# Altium PCB LPCXpresso55SXX.PcbDoc (part 2 of 4) (continued)
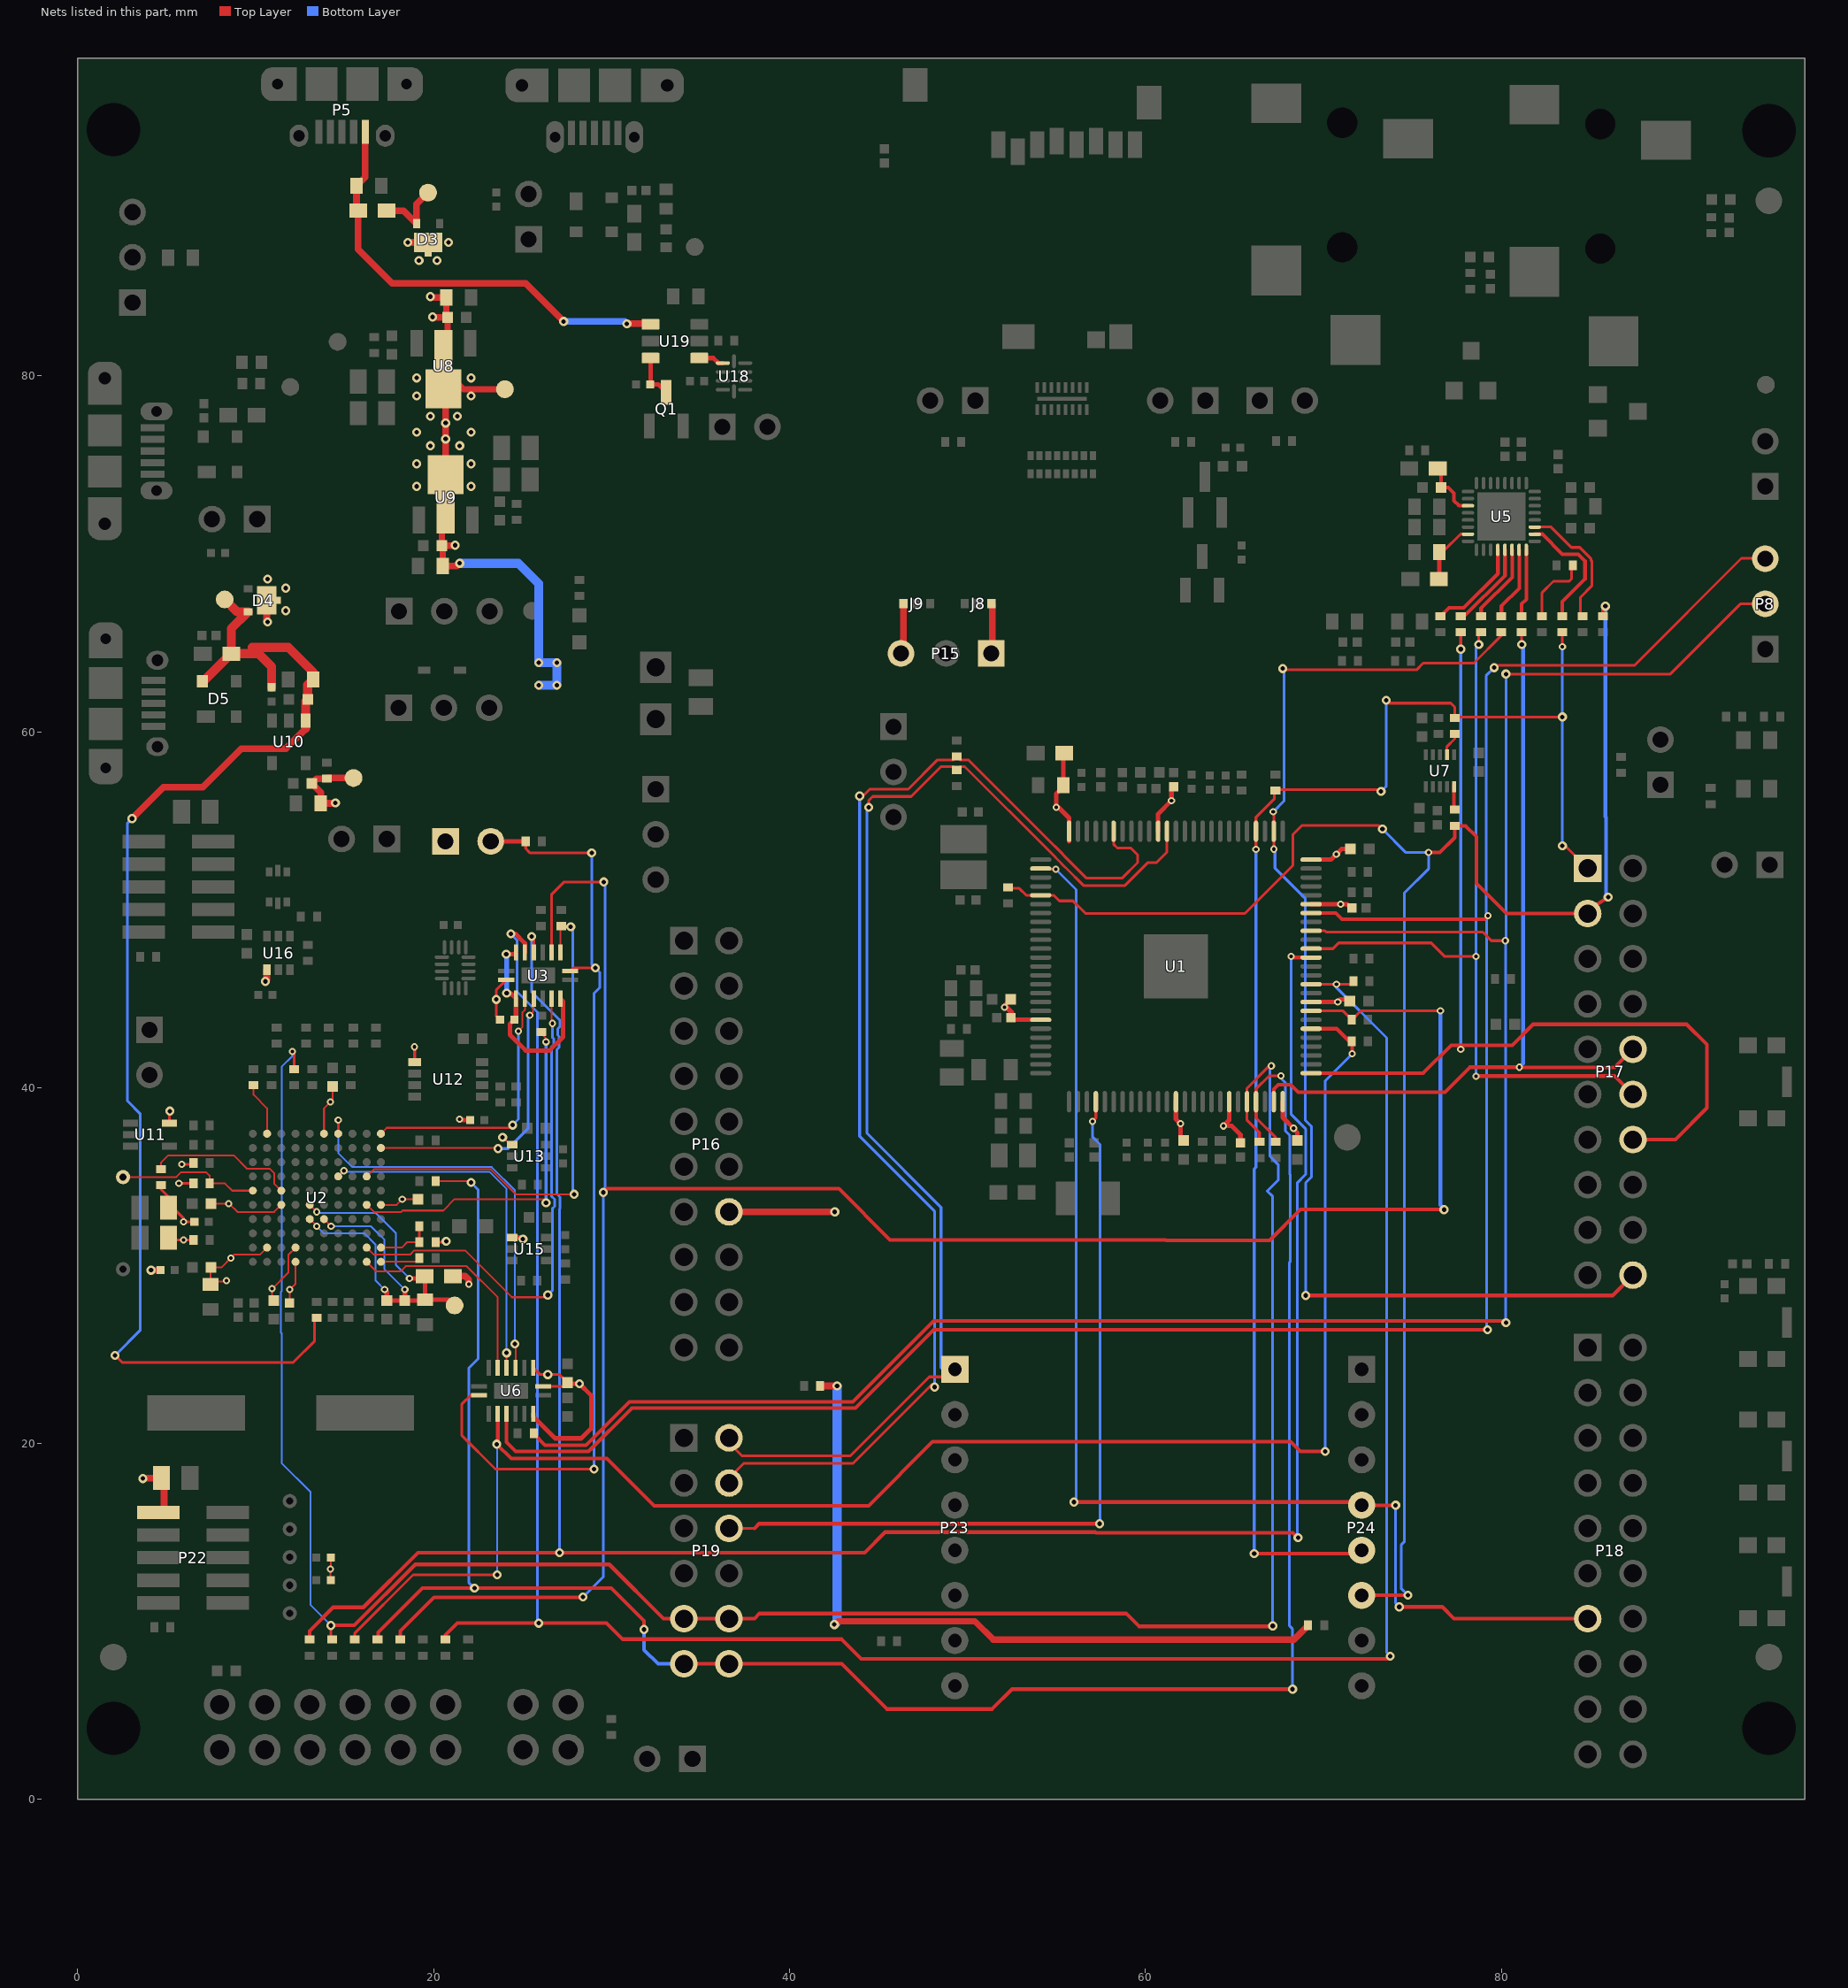
[diagram p4: the nets of this part, all layers, seen from the top]
## Part data (continued)
U13 U15 U16: "TXRX XLATING DUAL 3ST 6TSSOP", Manufacturer="Nexperia USA Inc.", Created by=eteofilo, Creation Date=12-Apr-2018, Manufacturer Part #=74LVC1T45GW,125
U14: "IC ANLG SWITCH 4PDT 16XQFN", Manufacturer="NXP USA Inc.", Created by=eteofilo, Creation Date=14-Apr-2018, Manufacturer Part #=NX3DV2567GU,115
U18: "IC ANALOG SWITCH SPDT 10XQFN", Manufacturer="NXP USA Inc.", Created by=eteofilo, Creation Date=16-Apr-2018, Manufacturer Part #=NX3L2267GM,115
U19: library part CMP-0337-00282-2, "Adjustable, Active High, Latch-off, Current-Limited Power-Distribution Switch, 0.075 to 1.7 A Current Limit, -40 to 85 degC, 6-pin SOT-23 (DBV), Green (RoHS & no Sb/Br)", Continuous Current(Max)(A)=1.5, Current Limit(A)="0.075 to 1.7", Current Limit Accuracy @ 1A="+/-7.5% (925mA min / 1075mA max)", Current Limit Topology=Latch-off, Manufacturer="Texas Instruments", Rating=Catalog, Code_JEDEC=MO-178-AB*, ComponentLink1Description=Datasheet, ComponentLink1URL=http://www.ti.com/general/docs/lit/getliterature.tsp?genericPartNumber=TPS2553-1&fileType=pdf, DatasheetVersion=SLVS841E, Eco-Plan="Green (RoHS & no Sb/Br)", Enable="Active High", Mounting Technology="Surface Mount", Number of Switches=1, PackageDescription="6-Pin Plastic Small-Outline Package, 2.9 x 1.6 mm Body, 0.95 mm Pitch, 2.8 mm Lead Span", PackageReference=DBV0006A, PackageVersion="revK, Mar-2006", PartNumber=TPS2553DBVR-1, rDS(on) per FET(Typ)(mOhms)="100/DRV, 85/DBV", Vin(Max)(V)=6.5, Vin(Min)(V)=2.5
U20: Manufacturer="Nexperia USA Inc.", Created by=eteofilo, Creation Date=17-Apr-2018, Manufacturer Part #=IP4252CZ16-8-TTL,1
Y1: "CRYSTAL 12.0000MHZ 18PF SMD", Manufacturer="Abracon LLC", Created by=eteofilo, Creation Date=06-Jul-2017, Manufacturer Part #=ABLS2-12.000MHZ-D4Y-T
Y2: "CRYSTAL 32.7680KHZ 12.5PF SMD", Manufacturer=NDK, Created by=eteofilo, Creation Date=05-Jun-2018, Manufacturer Part #=NX3215SA-32.768K-STD-MUS-2
Y3: "CRYSTAL 16.0000MHZ 8PF SMD", Manufacturer="Kyocera International Inc. Electronic Components", Created by=eteofilo, Creation Date=25-May-2018, Manufacturer Part #=CX3225GA16000D0PTVCC
F1 F2 F3 F4: Created by=lsanchez, Creation Date=05-Sep-2017

## Free pads (board coordinates)
  round 0 hole 3 unplated: 0(2,4) 0(2,93.841) 0(95.047,4) 0(95.047,93.777)

## Via types
v1: diameter 0.508, hole 0.254, Top Layer to Bottom Layer, tented both sides, 566 vias
v2: diameter 0.406, hole 0.203, Top Layer to Bottom Layer, tented both sides, 185 vias
v3: diameter 0.406, hole 0.203, Top Layer to Bottom Layer, 13 vias
v4: diameter 0.508, hole 0.254, Top Layer to Bottom Layer, 2 vias

## Nets (pads, with @x,y where several pads share a name; then routed paths per layer and width w, separated by ;. In a path a pad name is that pad's centre, name@x,y a point inside that pad or via, vN(x,y) a via of type N, cw(c..) or ccw(c..) an arc to the next point about the centre after c; other vN are vias at no path point)
2.5V_LINK_CORE: C34.2 C35.1 C36.1 L3.2 TP1.1 U2.E4 U2.E5 U2.F4 | length 30
  Top Layer w0.102: U2.E4@13.036,32.613 13.43,32.219 v2(13.43,32.206) ; U2.E5@13.036,33.413 v2(13.43,33.019) ; U2.F4@13.836,32.613 v2(14.236,32.213)
  Top Layer w0.254: v2(17.24,28.65) 17.367,28.523 C35.1@17.367,28.032 C36.1@18.383,28.032 ; v2(18.383,28.65) C36.1@18.383,28.032 ; v2(18.637,29.285) 19.437,29.285 19.526,29.374 C34.2@19.526,28.08 ; TP1.1@21.177,27.761 20.858,28.08 C34.2@19.526,28.08 ; C36.1@18.383,28.032 19.478,28.032 C34.2@19.526,28.08
  Bottom Layer w0.102: v2(13.43,32.206) 13.811,31.825 16.097,31.825 16.732,31.19 16.732,29.158 v2(17.24,28.65) ; v2(13.43,33.019) 13.481,32.968 16.732,32.968 17.875,31.825 17.875,30.047 v2(18.637,29.285) ; v2(14.236,32.213) 16.471,32.213 17.24,31.444 17.24,29.793 v2(18.383,28.65)
3V3_TRGT_VDDREG: C70.2 C71.1 C72.2 C73.1 C74.2 C75.1 C76.2 C89.1 C90.2 C91.1 L8.2 U1.15 U1.25 U1.44 U1.63 U1.69 U1.75 U1.84 U1.95 U1.100 | length 26.9
  Top Layer w0.254: v2(52.089,44.514) v2@52.179,44.514 ; 52.393,44.3 v2@52.179,44.514 ; C71.1@52.442,44.958 52.089,44.604 v2@52.179,44.514 ; U1.44@54.115,43.812 52.568,43.812 C74.2@52.438,43.942 52.438,44.165 52.5,44.227 52.213,44.514 v2@52.179,44.514 ; L8.2@55.435,58.801 55.38,58.745 C70.2@55.38,56.998 55.38,56.904 54.991,56.515 v2(54.991,55.753) 55.118,55.753 55.715,55.156 U1.25@55.715,54.412 U1.25@55.715,53.842 ; L8.2@55.559,58.677 L8.2@55.683,58.801 ; U1.15@60.715,54.412 60.715,55.381 v2(61.468,56.134) C76.2@61.468,56.667 ; U1.63@61.715,39.212 61.715,38.234 v2(61.976,37.973) 61.976,37.12 C73.1@62.071,37.025 ; U1.69@64.715,39.212 64.715,38.172 v2(64.389,37.846) 64.865,37.846 65.348,37.363 C90.2@65.348,36.9 ; U1.75@67.715,39.212 67.715,38.33 v2(68.326,37.719) 68.326,37.687 68.548,37.465 C75.1@68.548,37.025 ; U1.84@69.315,44.812 v2(70.815,44.812) 70.961,44.958 C91.1@71.528,44.958 ; U1.95@69.315,50.312 v2(70.973,50.312) 71.335,50.312 C72.2@71.609,50.038 ; U1.100@69.315,52.812 70.433,52.812 v2(70.735,53.114) 71.037,53.416 C89.1@71.528,53.416
+2.5V_LINK: C1.1 C27.2 C28.2 C29.2 C30.1 C31.2 C37.1 C38.1 C39.1 C40.1 C55.1 C56.2 C96.2 L3.1 P1.1 P22.1 R7.2 R30.2 R31.1 R33.2 R34.1 R40.1 R47.2 R49.2 R56.1 R81.2 R108.2 R122.2 TP9.1 U2.B2 U2.C5 U2.D1 U2.D2 U2.F10 U2.K5 U3.1 U6.1 U6.2 U6.15 U11.5 U12.1 U13.1 U15.1 U16.1 | length 56.1
  Top Layer w0.102: C40.1@7.461,29.896 7.461,29.096 8.288,29.096 v2(8.35,29.158) ; C37.1@7.478,33.476 v2(8.477,33.476) 8.513,33.476 8.976,33.013 11.036,33.013 U2.C5@11.436,33.413 ; C40.1@7.485,29.896 8.072,29.896 v2(8.604,30.428) 8.789,30.613 10.236,30.613 U2.B2@10.636,31.013 ; C30.1@11.017,28.032 10.922,28.127 v2(10.922,28.702) 11.836,29.616 11.836,30.613 U2.D2@12.236,31.013 ; C31.2@11.906,27.907 v2(11.906,28.65) 12.236,28.98 U2.D1@12.236,30.213 ; U2.F10@13.836,37.413 13.836,38.835 v2(14.192,39.191) 14.319,39.318 C39.1@14.319,40.063 ; R122.2@14.211,12.319 14.192,12.338 v2(14.192,12.954) 14.211,12.973 R108.2@14.211,13.589 ; U2.K5@17.036,33.413 17.919,33.413 v2(18.236,33.73) C38.1@19.128,33.73 ; v1(23.876,37.211) 24.294,36.793 U13.1@24.418,36.793
  Top Layer w0.152: 4.667,34.296 5.213,33.75 5.213,33.395 5.937,32.671 v2(5.937,32.46) R34.1@6.553,32.46 R34.1@6.503,32.41 ; U11.5@5.157,38.012 5.157,38.665 v1(5.175,38.683) ; C27.2@5.213,31.19 5.467,31.444 v2(5.937,31.444) R30.2@6.503,31.444 ; v2(5.683,34.619) R31.1@6.503,34.619 ; v2(5.842,35.687) 6.428,35.687 R33.2@6.503,35.762 ; v2(18.923,42.291) 18.931,42.283 U12.1@18.931,41.443 ; R47.2@20.103,31.317 20.649,31.317 v1(20.701,31.369) ; R7.2@23.73,43.815 23.52,44.025 v1(23.52,44.958) 23.52,45.497 U3.1@24.076,46.053 ; U6.2@25.597,24.265 25.986,23.876 v1(26.416,23.876) 27.077,23.876 C1.1@27.527,23.426 27.316,23.215 U6.1@26.147,23.215
  Top Layer w0.254: v2(21.463,38.227) 21.515,38.175 R56.1@22.047,38.175 ; U15.1@24.418,31.586 24.929,31.586 v1(25.019,31.496) ; U6.15@25.597,21.665 25.597,21.52 26.822,20.295 28.296,20.295 28.854,20.853 28.854,22.708 v1(28.194,23.368) 27.585,23.368 C1.1@27.527,23.426
  Top Layer w0.381: v1(3.651,18.034) 3.676,18.059 C96.2@4.705,18.059 4.851,17.914 P22.1@4.851,16.18 ; v1(4.116,29.742) R81.2@4.648,29.742 ; v1(10.541,45.974) 10.621,46.054 U16.1@10.621,46.623 ; v1(14.478,56.007) 14.453,55.982 C56.2@13.654,55.982 13.654,56.594 C55.1@13.149,57.099 13.41,57.36 R40.1@13.995,57.36 14.039,57.404 TP9.1@15.494,57.404 ; L3.1@21.088,29.412 21.769,29.412 21.971,29.21 v2(21.971,28.956)
+5V: C42.2 C43.1 C47.2 C48.1 D3.3 D4.3 P16.14 R97.1 R111.1 TP4.1 U8.2 U9.2 | length 85.5
  Top Layer w0.356: v1(19.812,84.455) 19.863,84.404 C42.2@20.712,84.404 20.712,83.36 C43.1@20.786,83.287 ; v1(19.939,83.312) 19.964,83.287 C43.1@20.786,83.287 ; v1(21.209,70.485) 21.184,70.46 C48.1@20.464,70.46 ; v1(21.463,69.469) 21.311,69.317 C47.2@20.512,69.317 20.512,70.412 C48.1@20.464,70.46 ; TP4.1@24.003,79.248 21.675,79.248 U8.2@20.674,80.249 ; v1(42.52,9.83) 42.708,10.018 50.422,10.018 51.46,8.979 ; C48.1@20.464,70.46 20.464,73.138 U9.2@20.674,73.348 U9.2@20.674,74.448 v1(20.674,76.454) v1(20.674,77.349) U8.2@20.674,80.249 ; U8.2@20.674,80.249 U8.2@20.549,80.375 20.786,80.612 C43.1@20.786,83.287
  Top Layer w0.381: D4.3@10.613,67.386 10.613,66.222 v1(10.668,66.167) ; v1(18.542,87.503) 19.681,87.503 D3.3@19.685,87.507 ; P16.14@36.601,33.02 v1(42.545,33.02) ; R97.1@41.725,23.241 v1(42.672,23.241) ; 51.46,8.979 68.346,8.979 R111.1@69.146,9.779
  Bottom Layer w0.508: v1(21.463,69.469) 24.765,69.469 25.908,68.326 v1(25.908,63.881) v1(26.924,63.881) v1(26.924,62.611) v1(25.908,62.611) ; v1(42.52,9.83) 42.672,9.982 v1(42.672,23.241)
  other v1: 11.684,66.802 11.684,68.072 10.668,68.58 19.05,73.787 22.098,73.787 19.05,75.057 22.098,75.057 19.812,76.073 21.463,76.073 19.05,76.835 22.098,76.835 19.812,77.724 21.336,77.724 19.05,78.867 22.098,78.867 19.05,79.883 22.098,79.883 19.177,86.487 20.193,86.487 20.828,87.503
+5V_EXT: C41.2 L4.1 P5.1 U19.1 | length 25
  Top Layer w0.381: P5.1@16.152,93.718 16.152,91.165 C41.2@15.665,90.678 15.665,89.37 L4.1@15.754,89.281 15.754,87.116 17.673,85.197 25.166,85.197 v1(27.305,83.058) ; v1(30.861,82.931) 32.157,82.931 U19.1@32.187,82.901
  Bottom Layer w0.381: v1(27.305,83.058) 30.734,83.058 v1(30.861,82.931)
+5V_LINK: C53.2 C54.1 D4.1 D5.4 L5.2 R27.2 R41.1 TP7.1 U10.1 | length 74.4
  Top Layer w0.152: v1(2.095,24.956) 2.489,24.562 12.106,24.562 13.307,25.764 13.307,26.934 R27.2@13.43,27.057
  Top Layer w0.381: v1(3.048,55.118) 4.813,56.883 7.022,56.883 9.194,59.055 11.684,59.055 12.805,60.176
  Top Layer w0.508: D5.4@7,62.849 7.083,62.849 L5.2@8.623,64.389 ; TP7.1@8.255,67.437 8.956,66.736 D4.1@9.563,66.736 8.623,65.796 L5.2@8.623,64.389 ; R41.1@10.897,62.503 10.897,63.652 10.16,64.389 ; 12.805,60.176 U10.1@12.805,60.636 12.805,61.709 C54.1@12.92,61.824 12.92,62.639 C53.2@13.222,62.941 13.222,63.359 11.836,64.745 9.804,64.745 10.16,64.389 ; L5.2@8.623,64.389 10.16,64.389
  Bottom Layer w0.152: v1(2.095,24.956) 3.518,26.378 3.518,38.519 2.794,39.243 2.794,54.864 v1(3.048,55.118)
+5V_PWR_ONLY: D3.1 L4.2 TP3.1 | length 4
  Top Layer w0.381: L4.2@17.354,89.281 18.311,89.281 D3.1@19.035,88.557 19.035,89.647 TP3.1@19.685,90.297
ACL_SCL: R3.1 U7.2 | length 1.3
  Top Layer w0.152: U7.2@76.949,58.798 76.949,59.169 77.387,59.607 R3.1@77.387,59.875
ACL_SDA: R4.1 U7.10 | length 1.4
  Top Layer w0.203: U7.10@77.349,56.998 77.349,55.657 R4.1@77.387,55.619
ADC0_N: P19.2 P23.1 R39.1 U1.14 | length 72.2
  Top Layer w0.152: P19.2@36.601,20.32 36.601,20.041 37.338,19.304 43.409,19.304 47.854,23.749 48.878,23.749 P23.1@49.295,24.166 ; v1(44.45,55.753) 44.45,56.134 44.679,56.363 46.838,56.363 48.514,58.039 49.218,58.039 R39.1@49.403,57.854 49.588,58.039 49.849,58.039 54.723,53.166 54.737,53.166 54.944,52.959 54.944,52.939 55.016,52.867 55.507,52.375 ; 55.508,52.375 56.523,51.36 58.853,51.36 60.147,52.654 60.631,52.654 61.215,53.239 U1.14@61.215,54.412
  Bottom Layer w0.152: v1(44.45,55.753) 44.348,55.651 44.348,37.44 48.514,33.274 48.514,24.257 48.605,24.166 P23.1@49.295,24.166
ADC0_P: P19.4 R83.1 U1.20 | length 71.5
  Top Layer w0.152: P19.4@36.601,17.78 36.601,18.059 37.44,18.898 43.577,18.898 48.001,23.322 v1(48.148,23.175) ; v1(43.942,56.388) 44.129,56.388 44.51,56.769 46.669,56.769 48.32,58.42 49.218,58.42 R83.1@49.403,58.605 49.588,58.42 50.043,58.42 54.891,53.572 54.905,53.572 55.35,53.127 55.35,53.113 55.423,53.04 55.423,53.034 55.676,52.781 55.682,52.781 56.697,51.766 58.685,51.766 59.563,52.645 59.563,53.086 59.182,53.467 58.42,53.467 58.215,53.672 U1.20@58.215,54.412
  Bottom Layer w0.152: v1(43.942,56.388) 43.942,37.271 48.148,33.065 v1(48.148,23.175)
ADC_VREFN: J9.3 P15.3 | length 2.8
  Top Layer w0.381: J9.3@46.4,67.132 46.4,64.776 P15.3@46.736,64.44
ADC_VREFP: J8.3 P15.1 | length 2.9
  Top Layer w0.381: J8.3@51.4,67.158 51.4,64.856 P15.1@51.816,64.44
BOOT0_LED: R47.1 R48.2 U2.K2 | length 3.2
  Top Layer w0.102: U2.K2@17.036,31.013 18.206,31.013 18.51,31.317 R47.1@19.203,31.317
  Top Layer w0.152: R47.1@19.203,31.317 R48.2@19.203,32.206
BOOT1: R50.1 U2.K1 | length 2.3
  Top Layer w0.102: U2.K1@17.036,30.213 18.988,30.213 R50.1@19.203,30.428
BOOT2: R49.1 U2.C6 | length 8.6
  Top Layer w0.102: R49.1@4.667,35.323 4.667,35.782 5.08,36.195 8.763,36.195 9.525,35.433 10.795,35.433 11.049,35.179 11.036,35.166 11.036,34.613 U2.C6@11.436,34.213
BOOT3: R52.1 U2.B10 | length 3
  Top Layer w0.102: R52.1@9.874,40.138 9.874,39.605 10.636,38.843 U2.B10@10.636,37.413
BRDG_INTR-ISP_DIR: R6.2 U2.J7 U3.10 | length 29.7
  Top Layer w0.102: U2.J7@16.236,35.013 16.636,35.413 23.21,35.413 24.612,34.011 v1(27.889,34.011) ; R6.2@27.095,49.13 R6.2@27.126,49.099 ; U3.10@27.126,47.603 R6.2@27.126,49.099 ; v1(27.705,49.046) 27.179,49.046 R6.2@27.126,49.099
  Bottom Layer w0.152: v1(27.705,49.046) 27.813,48.938 27.813,47.346 27.813,34.087 v1(27.889,34.011)
BRIDGE_\O\E\: P1.2 R2.1 U3.9 U6.9 | length 53.7
  Top Layer w0.152: U6.9@22.547,22.715 22.08,22.715 21.59,22.225 21.59,20.447 23.47,18.567 v1(29.007,18.567) ; R2.1@25.172,53.848 25.172,53.441 25.425,53.188 v1(28.88,53.188) ; U3.9@27.676,46.553 27.859,46.736 v1(29.083,46.736)
  Top Layer w0.254: P1.2@23.209,53.848 R2.1@25.172,53.848
  Bottom Layer w0.152: v1(28.88,53.188) 28.88,46.939 v1(29.083,46.736) 29.337,46.482 29.337,45.617 29.007,45.287 v1(29.007,18.567)
BRIDGE_L_INTR-ISP: R9.2 U2.J5 | length 20.4
  Top Layer w0.102: U2.J5@16.236,33.413 16.636,33.013 18.174,33.013 18.256,33.095 20.542,33.095 21.178,33.731 26.213,33.731 26.314,33.63 v1(26.314,33.528) ; R9.2@26.054,43.135 26.054,43.034 26.314,42.774 v2(26.314,42.57)
  Bottom Layer w0.152: v1(26.314,33.528) v2(26.314,42.57)
BRIDGE_L_MISO: U2.J1 U6.6 | length 12.4
  Top Layer w0.102: U2.J1@16.236,30.213 16.783,29.666 18.129,29.666 18.427,29.964 21.852,29.964 23.597,28.219 U6.6@23.597,24.265
BRIDGE_L_MOSI: U2.J2 U3.6 | length 28.6
  Top Layer w0.102: U2.J2@16.236,31.013 16.636,30.613 18.672,30.613 18.915,30.855 21.76,30.855 24.393,28.223 26.292,28.223 v1(26.416,28.346) ; U3.6@26.626,45.003 26.634,45.003 26.634,43.648 v2(26.67,43.612)
  Bottom Layer w0.152: v1(26.416,28.346) 26.67,28.6 26.67,33.201 26.797,33.328 26.797,33.728 26.619,33.906 26.619,42.265 26.746,42.392 26.746,42.749 26.67,42.825 v2(26.67,43.612)
BRIDGE_L_SCK: U2.K9 U3.4 | length 16.2
  Top Layer w0.102: U2.K9@17.044,36.605 23.593,36.605 v1(23.622,36.576) ; v2(25.4,44.069) 25.576,44.245 25.576,44.953 U3.4@25.626,45.003
  Bottom Layer w0.152: v1(23.622,36.576) 24.181,36.576 25.298,37.694 25.298,43.967 v2(25.4,44.069)
BRIDGE_L_SSEL: U2.K10 U3.3 | length 15
  Top Layer w0.102: U2.K10@17.036,37.413 17.367,37.744 24.282,37.744 v1(24.435,37.897) ; v2(24.765,43.18) 24.994,43.409 24.994,44.237 25.126,44.37 U3.3@25.126,45.003
  Bottom Layer w0.152: v1(24.435,37.897) 24.765,38.227 v2(24.765,43.18)
BRIDGE_UART_RXD: U2.G10 U6.4 | length 23.4
  Top Layer w0.102: U2.G10@14.636,37.413 v2(14.636,38.175) ; v1(24.562,25.603) 24.606,25.559 24.606,24.274 U6.4@24.597,24.265
  Bottom Layer w0.102: v2(14.636,38.175) 14.636,36.334 15.437,35.533 23.268,35.533 24.562,34.239 v1(24.562,25.603)
BRIDGE_UART_TXD: U2.G7 U6.5 | length 20.1
  Top Layer w0.102: U2.G7@14.636,35.013 v2(14.954,35.331) ; U6.5@24.097,24.265 24.097,25.093 v1(24.098,25.094)
  Bottom Layer w0.102: v2(14.954,35.331) 15.006,35.279 23.141,35.279 24.098,34.322 v1(24.098,25.094)
CO_ALT_MCLKOUT: R13.2 R24.1 | length 4.1
  Top Layer w0.152: R24.1@82.296,66.49 82.296,67.818 82.931,68.453 83.82,68.453 83.947,68.58 83.947,69.273 R13.2@84.016,69.342
CO_AVDD: C12.2 L1.2 U5.23 | length 3.6
  Top Layer w0.152: C12.2@76.519,70.104 76.708,70.104 77.71,71.106 U5.23@78.138,71.106
  Top Layer w0.254: L1.2@76.492,68.58 76.519,68.607 C12.2@76.519,70.104
CO_I2S_BLK: R18.1 U5.29 | length 4.9
  Top Layer w0.203: R18.1@77.724,66.49 77.915,66.49 80.213,68.788 U5.29@80.213,70.231
CO_I2S_DAI: R109.1 U5.31 | length 4.2
  Top Layer w0.203: R109.1@80.01,66.49 80.01,67.056 81.013,68.059 U5.31@81.013,70.231
CO_I2S_DAO: R21.1 U5.32 | length 3.8
  Top Layer w0.203: R21.1@81.153,66.49 81.153,67.183 81.413,67.443 U5.32@81.413,70.231
CO_I2S_WS: R19.1 U5.30 | length 4.5
  Top Layer w0.203: R19.1@78.867,66.49 78.867,66.939 80.613,68.685 U5.30@80.613,70.231
CO_MCLK: R22.1 U5.28 | length 5.6
  Top Layer w0.203: R22.1@76.581,66.49 77.06,66.969 77.891,66.969 79.813,68.891 U5.28@79.813,70.231
CO_MICVDD: C14.1 L2.2 U5.19 | length 3.3
  Top Layer w0.203: L2.2@76.435,74.803 76.617,74.621 C14.1@76.617,73.736 77.013,73.736 77.343,73.406 77.343,72.99 77.627,72.706 U5.19@78.138,72.706
CO_SCL: R14.1 U5.2 | length 7.1
  Top Layer w0.203: U5.2@81.888,71.106 82.31,71.106 83.439,69.977 84.328,69.977 84.709,69.596 84.709,68.58 83.439,67.31 R14.1@83.439,66.49
CO_SDA: R16.2 U5.3 | length 7.5
  Top Layer w0.152: U5.3@81.888,71.506 82.799,71.506 83.947,70.358 84.414,70.358 85.039,69.733 85.039,69.647 85.09,69.596 85.09,68.199 84.455,67.564 84.455,66.617 R16.2@84.582,66.49
COMPARATOR: P19.6 U1.54 | length 44.9
  Top Layer w0.152: P19.6@36.601,15.24 38.031,15.24 ; v2(57.023,38.1) 57.215,38.292 U1.54@57.215,39.212
  Top Layer w0.203: 38.031,15.24 38.285,15.494 v1(57.429,15.494)
  Bottom Layer w0.152: v2(57.023,38.1) 57.023,37.244 57.455,36.812 57.455,15.519 v1(57.429,15.494)
DBGEN: R31.2 TP12.1 U2.A6 | length 8.4
  Top Layer w0.102: TP12.1@2.381,34.746 2.611,34.976 5.537,34.976 5.815,35.254 7.207,35.254 7.403,35.058 R31.2@7.403,34.619 8.274,34.619 8.68,34.213 U2.A6@9.836,34.213
DIR_PU: R7.1 U3.2 U3.7 U3.15 | length 11.5
  Top Layer w0.254: v1(24.079,47.498) 24.521,47.498 U3.15@24.626,47.603 ; v1(24.105,45.314) 24.315,45.314 U3.2@24.626,45.003 24.626,43.911 R7.1@24.53,43.815 24.282,43.567 24.282,42.98 25.175,42.088 26.514,42.088 27.28,42.853 27.28,44.849 U3.7@27.126,45.003
  Bottom Layer w0.254: v1(24.079,47.498) 24.105,47.473 v1(24.105,45.314)
EN_PS: Q1.3 R89.1 U19.3 | length 2.6
  Top Layer w0.254: U19.3@32.187,81.001 32.187,79.539 R89.1@32.175,79.527 32.624,79.527 Q1.3@33.071,79.08
F\A\U\L\T\: U18.6 U19.4 | length 1.4
  Top Layer w0.254: U19.4@34.937,81.001 35.712,81.001 35.992,80.721 U18.6@36.256,80.721
FC0_USART_RXD: P8.2 R1.2 U1.92 | length 121.7
  Top Layer w0.152: U1.92@69.315,48.812 70.086,48.812 70.156,48.743 78.962,48.743 79.444,48.26 v2(80.232,48.26) ; v1(80.264,63.246) 89.503,63.246 93.44,67.183 P8.2@94.837,67.183
  Top Layer w0.203: R1.2@25.596,20.574 26.256,19.914 28.555,19.914 30.993,22.352 43.561,22.352 48.108,26.899 80.162,26.899 v1(80.264,26.797)
  Bottom Layer w0.152: v1(80.264,26.797) 80.239,26.822 80.239,48.253 v2(80.232,48.26) 80.283,48.311 80.283,59.09 80.264,59.109 v1(80.264,63.246)
FC0_USART_TXD: P8.3 U1.94 U6.12 | length 125.2
  Top Layer w0.152: v1(79.604,63.602) 79.731,63.729 87.478,63.729 93.497,69.748 P8.3@94.862,69.748
  Top Layer w0.203: U6.12@24.097,21.665 24.097,20.074 24.613,19.558 28.702,19.558 31.14,21.996 43.708,21.996 48.128,26.416 48.153,26.391 v1(79.223,26.391) ; U1.94@69.315,49.812 70.711,49.812 71.05,49.473 79.064,49.473 v2(79.248,49.657)
  Bottom Layer w0.152: v1(79.223,26.391) 79.172,26.441 79.172,49.581 v2(79.248,49.657) 79.146,49.759 79.146,63.144 v1(79.604,63.602)
FC1_I2C_SCL: P19.11 P19.12 R25.2 R72.1 R104.2 U1.72 | length 122.4
  Top Layer w0.102: R25.2@20.103,34.746 22.023,34.746 v1(22.098,34.671)
  Top Layer w0.152: R72.1@67.329,36.95 67.329,37.192 66.215,38.306 U1.72@66.215,39.212 66.215,39.926 66.954,40.665 v2(67.615,40.665)
  Top Layer w0.203: R104.2@16.844,8.984 16.891,9.031 16.891,9.398 19.364,11.871 v1(22.292,11.871) 22.307,11.887 29.979,11.887 31.826,10.04 v1(31.826,9.55) ; P19.11@34.061,7.62 P19.12@36.601,7.62 42.926,7.62 45.466,5.08 51.384,5.08 52.502,6.198 v4(68.275,6.198)
  Bottom Layer w0.152: v1(22.098,34.671) 22.504,34.265 22.504,24.765 21.971,24.232 21.971,12.192 v1(22.292,11.871) ; v2(67.615,40.665) 67.615,40.537 67.869,40.283 67.869,37.566 68.116,37.318 68.116,35.127 68.148,35.095 68.148,30.229 68.097,30.179 68.097,9.754 68.275,9.576 v4(68.275,6.198)
  Bottom Layer w0.203: v1(31.826,9.55) 31.826,8.407 32.614,7.62 P19.11@34.061,7.62
FC1_I2C_SDA: P19.9 P19.10 R26.2 R71.1 R106.2 U1.71 | length 128.9
  Top Layer w0.102: R106.2@14.224,9.058 R106.2@14.297,8.984
  Top Layer w0.152: v2(12.065,42.037) 12.16,41.942 R26.2@12.16,41.038 ; R106.2@14.224,9.058 v1(14.224,9.779) ; R71.1@66.414,36.95 66.414,37.472 65.715,38.171 U1.71@65.715,39.212 65.715,39.972 66.968,41.224 v2(67.081,41.224)
  Top Layer w0.203: v1(14.224,9.779) 15.535,9.779 18.964,13.208 29.87,13.208 32.918,10.16 P19.9@34.061,10.16 P19.10@36.601,10.16 38.031,10.16 38.321,10.45 58.917,10.45 59.638,9.728 v1@67.183,9.728
  Bottom Layer w0.102: v2(12.065,42.037) 12.065,41.783 11.455,41.173 11.455,28.562 11.423,28.531 11.423,26.217 11.455,26.185 11.455,23.791 11.455,18.898 13.081,17.272 13.081,10.922 v1(14.224,9.779)
  Bottom Layer w0.152: v2(67.081,41.224) 67.005,41.148 67.005,36.145 67.462,35.687 67.462,34.798 66.853,34.188 67.158,33.884 v1(67.158,9.754)
FC2_USART_TXD_ARD: P18.13 P24.4 U1.27 | length 71.8
  Top Layer w0.152: U1.27@54.115,52.312 54.154,52.273 v2(54.966,52.273)
  Top Layer w0.203: v1(55.982,16.713) 71.987,16.713 P24.4@72.155,16.546 72.165,16.535 v1(74.066,16.535) ; v1(74.27,10.82) 76.683,10.82 77.343,10.16 P18.13@84.861,10.16
  Bottom Layer w0.152: v2(54.966,52.273) 56.109,51.13 56.109,16.84 v1(55.982,16.713) ; v1(74.066,16.535) 74.066,11.024 v1(74.27,10.82)
FC3_SPI_MISO: R103.1 R117.1 U1.81 U6.11 | length 94.8
  Top Layer w0.152: R103.1@15.571,8.984 15.571,9.348 18.847,12.624 v1(23.571,12.624)
  Top Layer w0.203: U6.11@23.597,21.665 23.605,21.657 23.605,20.176 23.546,20.117 v1(23.546,19.964) 24.359,19.152 29.743,19.152 32.385,16.51 44.45,16.51 48.042,20.102 68.163,20.102 68.707,19.558 v1(70.104,19.558) ; U1.81@69.315,43.312 70.744,43.312 71.46,42.596 R117.1@71.603,42.596 71.628,42.571 v2(71.628,41.91)
  Bottom Layer w0.102: v1(23.546,19.964) 23.571,19.939 v1(23.571,12.624)
  Bottom Layer w0.152: v1(70.104,19.558) 70.104,40.386 v2(71.628,41.91)
FC3_SPI_MOSI: R101.1 R118.1 U1.83 U3.11 | length 127
  Top Layer w0.152: U3.11@26.626,47.603 26.619,47.61 26.619,50.847 27.334,51.562 v1(29.566,51.562) ; U1.83@69.315,44.312 71.106,44.312 R118.1@71.603,43.815 72.116,44.328 72.918,44.328 72.923,44.323 v2(76.581,44.323)
  Top Layer w0.203: R101.1@18.118,8.984 18.118,9.457 20.025,11.363 28.381,11.363 v1(28.397,11.379) ; v1(29.54,34.112) 29.743,34.315 42.774,34.315 45.644,31.445 61.143,31.445 61.168,31.42 66.985,31.42 68.712,33.147 v1(76.784,33.147)
  Bottom Layer w0.152: v1(28.397,11.379) 29.54,12.522 v1(29.54,34.112) 29.642,34.214 29.642,51.486 v1(29.566,51.562)
  Bottom Layer w0.203: v2(76.581,44.323) 76.581,33.401 76.784,33.198 v1(76.784,33.147)
FC3_SPI_SCK: R105.1 U1.89 U3.13 | length 129.3
  Top Layer w0.152: v1(25.502,48.489) 25.626,48.364 U3.13@25.626,47.603
  Top Layer w0.203: R105.1@13.024,8.984 13.024,9.468 14.351,10.795 16.048,10.795 19.122,13.868 v1(27.076,13.868) 44.221,13.868 45.375,15.022 57.183,15.022 57.219,14.986 68.301,14.986 v1(68.58,14.707) ; v2(68.199,47.371) 68.258,47.312 U1.89@69.315,47.312
  Bottom Layer w0.152: v1(25.502,48.489) 25.502,45.391 27.102,43.791 27.102,43.433 26.975,43.306 26.975,42.952 27.051,42.876 27.051,42.265 26.924,42.138 26.924,34.032 27.102,33.854 27.102,33.202 27.076,33.176 v1(27.076,13.868) ; v2(68.199,47.371) 68.199,38.493 69.005,37.686 69.005,35.117 68.529,34.641 68.529,14.757 v1(68.58,14.707)
FC3_SPI_SSEL0: R99.1 R119.1 U1.86 U3.14 | length 136.8
  Top Layer w0.152: U1.86@69.315,45.812 v2(70.739,45.812) R119.1@71.686,45.812
  Top Layer w0.203: R99.1@20.665,8.984 20.665,9.235 21.336,9.906 v1(25.908,9.906) 29.718,9.906 30.619,9.005 42.938,9.005 44.033,7.91 73.619,7.91 v1(73.762,8.052) v1@73.762,8.047
  Top Layer w0.254: v1(24.333,48.641) 24.595,48.641 25.126,48.11 U3.14@25.126,47.603
  Bottom Layer w0.152: v1(24.333,48.641) 24.689,48.285 24.689,45.391 25.832,44.248 25.832,9.982 v1(25.908,9.906) ; v2(70.739,45.812) 70.739,45.617 73.558,42.798 73.558,8.255 v1(73.762,8.052)
FC4_I2C_SCL_ARD: P17.1 P24.5 R3.2 R14.2 R120.1 U1.4 | length 85.7
  Top Layer w0.152: v2(66.215,53.387) U1.4@66.215,54.412 66.215,55.198 67.253,56.236 67.253,56.75 73.139,56.75 v1(73.247,56.642) ; v1(73.533,61.773) 73.699,61.607 77.163,61.607 77.387,61.383 R3.2@77.387,60.775 77.445,60.833 v1(83.439,60.833) ; v1(83.439,53.594) 83.431,53.586 83.431,53.754 P17.1@84.861,52.324 ; v2(83.439,64.77) R14.2@83.439,65.59
  Top Layer w0.203: v1(66.116,13.818) 71.967,13.818 P24.5@72.155,14.006
  Bottom Layer w0.152: v1(66.116,13.818) 66.116,35.43 66.215,35.529 v2(66.215,53.387) ; v1(73.247,56.642) 73.533,56.928 v1(73.533,61.773) ; v1(83.439,53.594) v1(83.439,60.833) v2(83.439,64.77)
FC4_I2C_SDA_ARD: P17.3 P24.6 R4.2 R15.2 R121.1 U1.30 | length 105
  Top Layer w0.152: R121.1@52.292,51.2 52.913,51.2 53.301,50.812 U1.30@54.115,50.812 54.844,50.812 55.161,50.495 55.931,50.495 56.642,49.784 65.588,49.784 68.294,52.49 68.294,54.229 68.802,54.737 73.12,54.737 v1(73.323,54.534)
  Top Layer w0.203: P24.6@72.155,11.466 72.19,11.43 72.241,11.481 v1(74.752,11.481) ; v2(75.914,53.213) 76.549,53.213 77.387,54.051 R4.2@77.387,54.719 77.996,54.719 78.613,54.102 78.613,51.479 80.308,49.784 84.455,49.784 84.784,49.943 84.9,50 v1(86.008,50.705) ; R15.2@85.725,66.49 85.725,66.929 v1(85.852,67.056)
  Bottom Layer w0.152: v1(73.323,54.534) 74.644,53.213 v2(75.914,53.213) 75.914,52.292 74.549,50.927 74.549,14.475 74.371,14.297 74.371,11.862 v1(74.752,11.481)
  Bottom Layer w0.203: v1(85.852,67.056) 85.852,55.224 85.89,55.186 v1@85.89,50.673
FC6_I2S_RX: P17.20 R109.2 U1.2 | length 68.7
  Top Layer w0.152: v2(67.183,55.499) 67.215,55.467 U1.2@67.215,54.412 v2(67.215,53.404) ; v1(67.716,63.551) 67.788,63.479 75.242,63.479 75.619,63.856 78.458,63.856 80.01,65.408 R109.2@80.01,65.59
  Top Layer w0.203: v1(69.012,28.321) 86.258,28.321 P17.20@87.401,29.464
  Bottom Layer w0.152: v2(67.183,55.499) 67.793,56.109 67.793,63.475 v1(67.716,63.551) ; v2(67.215,53.404) 67.284,53.336 67.284,52.343 68.98,50.647 68.98,38.179 69.335,37.823 69.335,34.98 69.012,34.656 v1(69.012,28.321)
FC7_I2S_SCK: P17.14 R18.2 U1.76 | length 55.7
  Top Layer w0.152: v1(77.724,64.643) R18.2@77.724,65.59
  Top Layer w0.203: U1.76@69.315,40.812 75.61,40.812 77.182,42.384 80.611,42.384 81.788,43.561 90.424,43.561 91.567,42.418 91.567,38.862 89.789,37.084 P17.14@87.401,37.084
  Bottom Layer w0.152: v2(77.724,42.164) v1(77.724,64.643)
FC7_I2S_TX: P17.10 R21.2 U1.74 | length 46.7
  Top Layer w0.152: v1(81.153,64.897) R21.2@81.153,65.59
  Top Layer w0.203: U1.74@67.215,39.212 67.215,39.91 67.462,40.157 68.174,40.157 68.58,39.751 76.835,39.751 78.232,41.148 v2(81.026,41.148) 81.039,41.135 86.372,41.135 P17.10@87.401,42.164
  Bottom Layer w0.203: v2(81.026,41.148) 81.229,41.351 81.229,64.821 v1(81.153,64.897)
FC7_I2S_WS: P17.12 R19.2 U1.90 | length 44
  Top Layer w0.152: U1.90@69.315,47.812 70.545,47.812 70.866,48.133 76.065,48.133 76.827,47.371 v2(78.581,47.371) ; v1(78.74,64.897) 78.74,65.463 R19.2@78.867,65.59
  Top Layer w0.203: v2(78.581,40.64) 78.594,40.653 86.372,40.653 P17.12@87.401,39.624
  Bottom Layer w0.152: v2(78.581,40.64) v2(78.581,47.371) 78.581,64.738 v1(78.74,64.897)